# KiCad board FC_V5.kicad_pcb (continued)
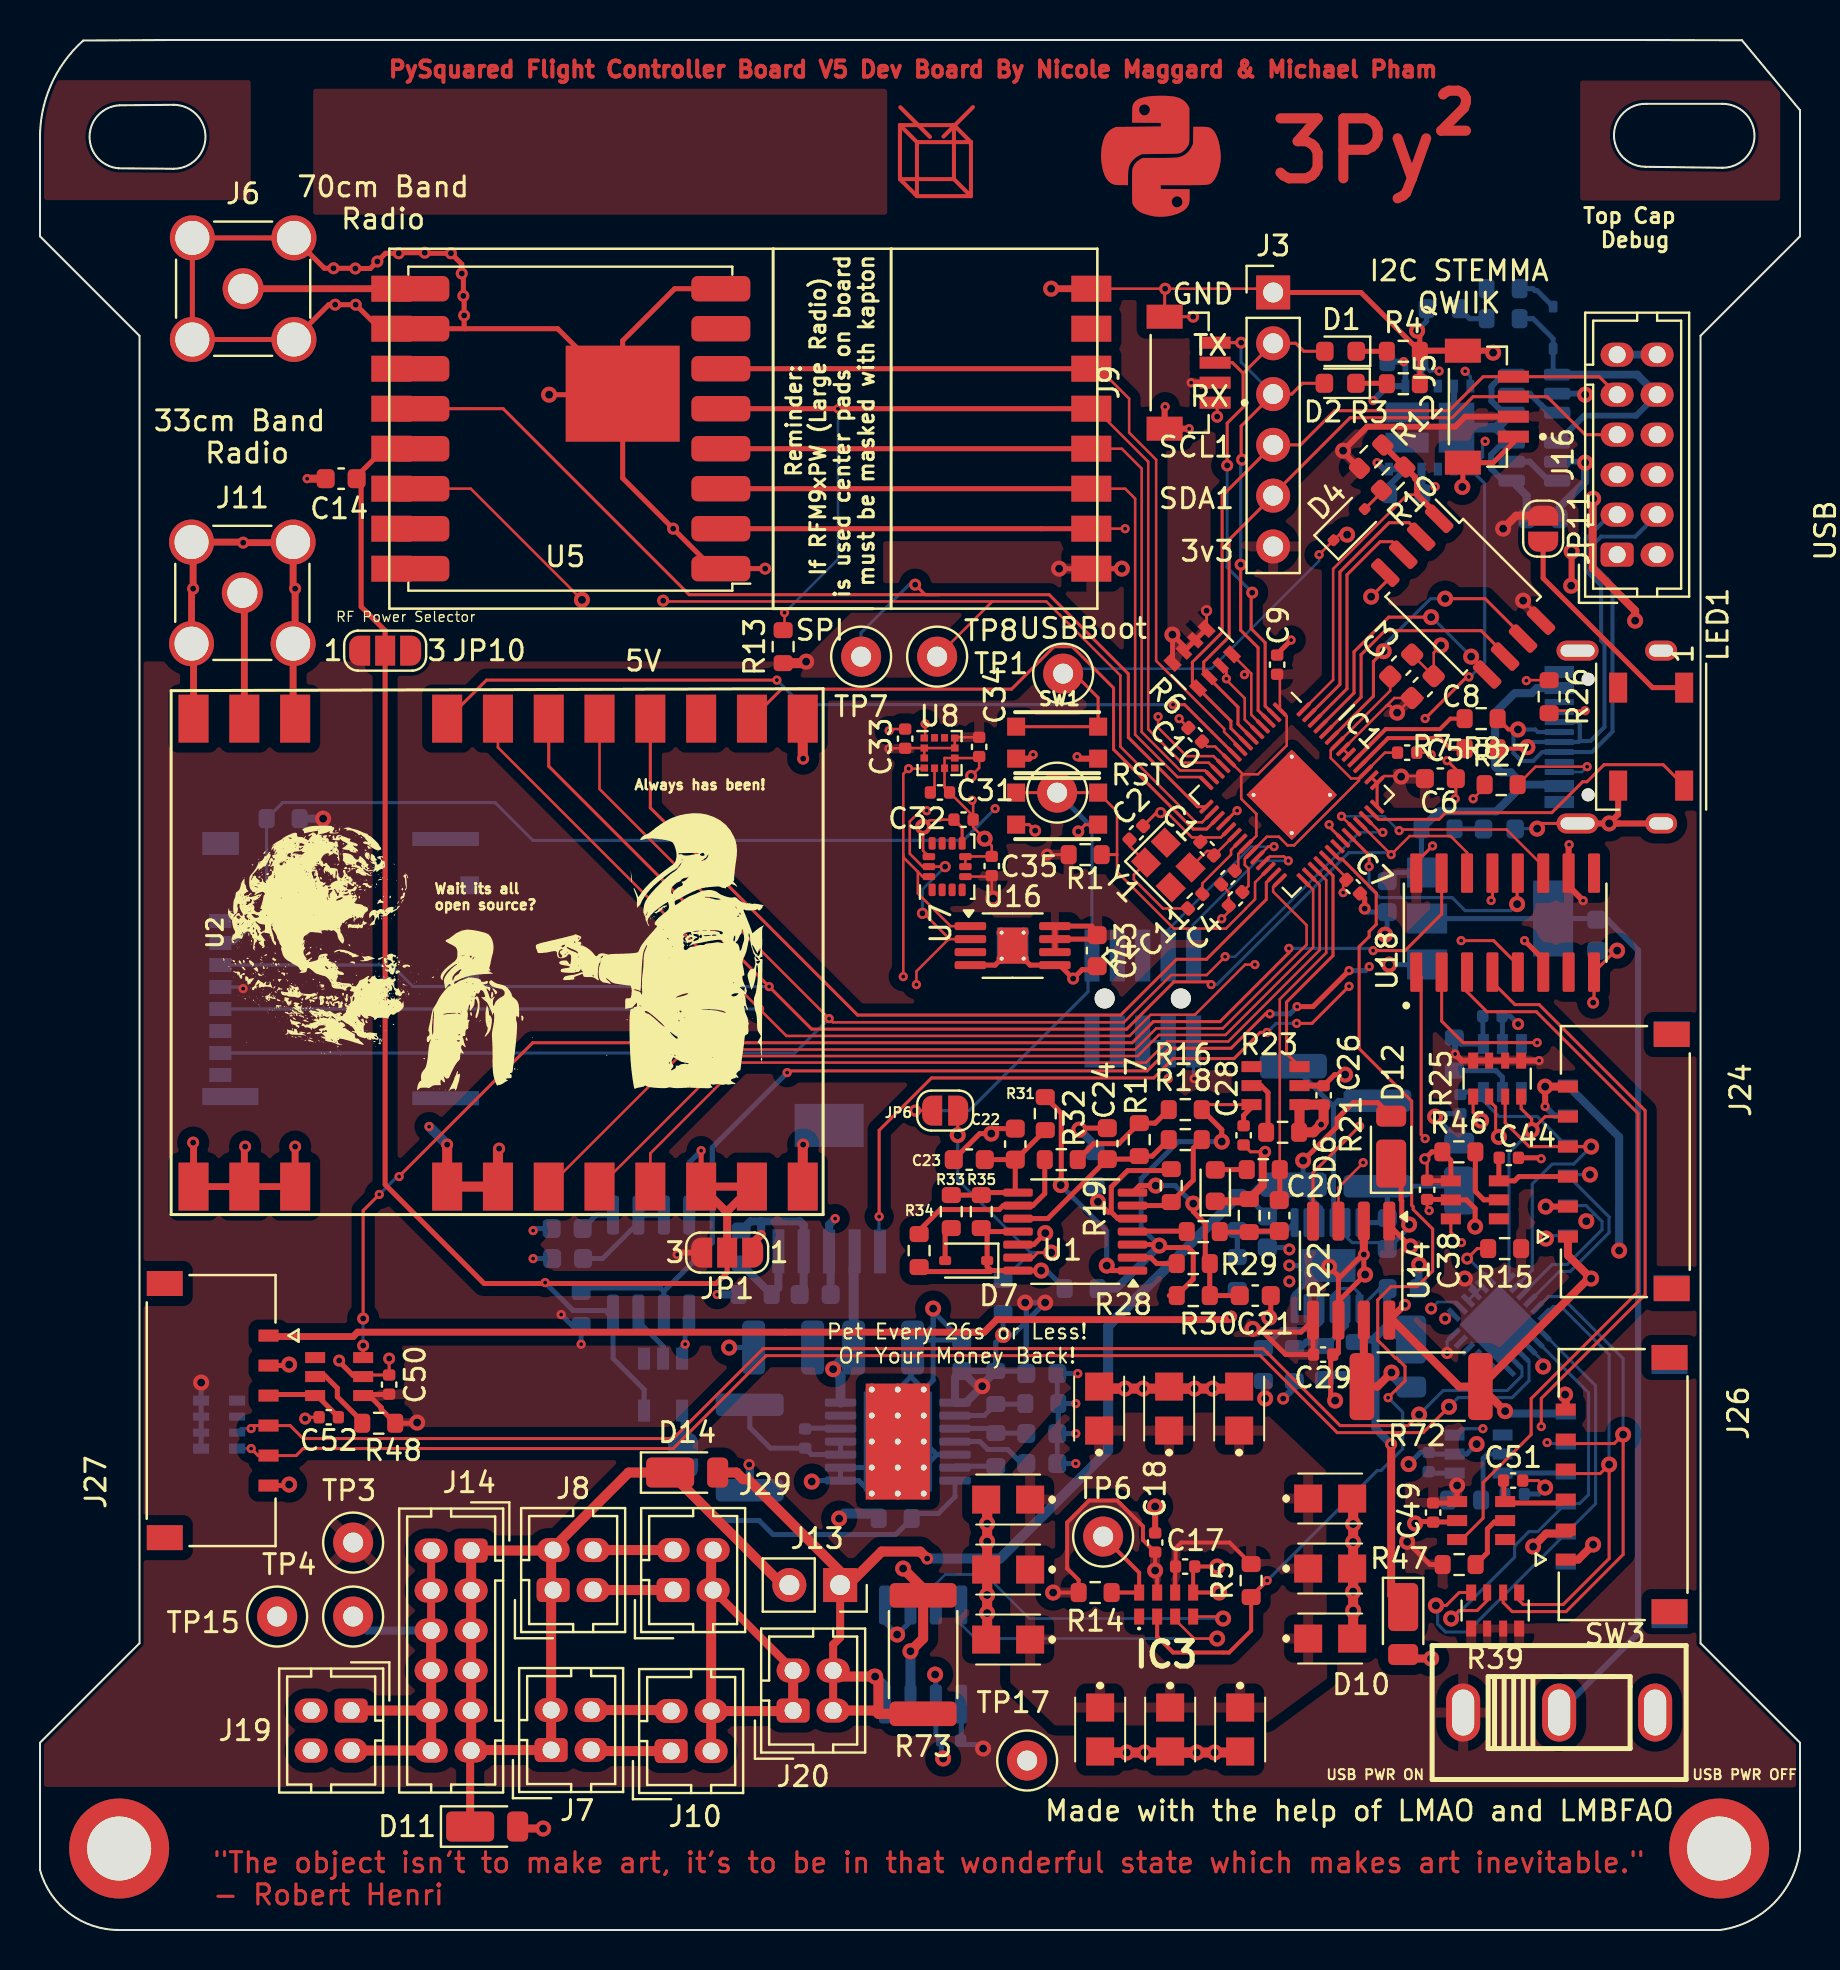
[diagram p0: board, top side]
## Library data of the parts (continued)
R1 R2 R5 R7-R9 R11 R12 R14 R42 R43 = -: Description: 100K 0603
R3 R4 R10 = -: Description: 100K 0603; LCSC: C21190
R6 R25 R39 R45 = -: ki_fp_filters: DIP* SOIC* R*Array*Concave* R*Array*Convex*
R13 = -: Description: 10k 0603
R15 R70 = -: Description: 100K 0603; ki_fp_filters: R_*
R16-R18 R22 R28 R41 R56 R59 R62 R124 = -: Description: 10 kOhms ±1% 0.1W, 1/10W Chip Resistor 0603 (1608 Metric) Automotive AEC-Q200 Thick Film; DPN: RMCF0603FT10K0CT-ND; DST: Digi-Key; MFR: Stackpole Electronics Inc; MPN: RMCF0603FT10K0; ki_fp_filters: R_*
R19-R21 = -: Description: 3 kOhms ±1% 0.1W, 1/10W Chip Resistor 0603 (1608 Metric) Automotive AEC-Q200 Thick Film; DPN: RMCF0603FT3K00CT-ND; DST: Digi-Key; MFR: Stackpole Electronics Inc; MPN: RMCF0603FT3K00; ki_fp_filters: R_*
R23 R46-R49 R51 R61 = -: Description: 47 kOhms ±1% 0.1W, 1/10W Chip Resistor 0603 (1608 Metric) Automotive AEC-Q200 Thick Film; DPN: RMCF0603FT47K0CT-ND; DST: Digi-Key; MFR: Stackpole Electronics Inc; MPN: RMCF0603FT47K0; ki_fp_filters: R_*
R26 R27 = -: Description: 5.1k 0603
R29 R31 R60 = -: Description: 1 kOhms ±1% 0.1W, 1/10W Chip Resistor 0603 (1608 Metric) Automotive AEC-Q200 Thick Film; DPN: RMCF0603FT1K00CT-ND; DST: Digi-Key; MFR: Stackpole Electronics Inc; MPN: RMCF0603FT1K00; ki_fp_filters: R_*
R30 R32-R34 R36 R37 = -: Description: 100 kOhms ±5% 0.1W, 1/10W Chip Resistor 0603 (1608 Metric) Automotive AEC-Q200 Thick Film; DPN: RMCF0603FT100KCT-ND; DST: Digi-Key; MFR: Stackpole Electronics Inc; MPN: RMCF0603FT100K; ki_fp_filters: R_*
R35 = -: Description: 4.7 MOhms ±1% 0.1W, 1/10W Chip Resistor 0603 (1608 Metric) Automotive AEC-Q200 Thick Film; DPN: RMCF0603FT4M70CT-ND; DST: Digi-Key; MFR: Stackpole Electronics Inc; MPN: RMCF0603FT4M70; ki_fp_filters: R_*
R38 = -: Description: 73.2K 0603
R40 = -: Description: 22.1K 0603
R63 = -: Description: 10K 0603; ki_fp_filters: R_*
R64 = -: Description: 3.3K 0603; ki_fp_filters: R_*
R65 = -: Description: 200K 0603; ki_fp_filters: R_*
R66 R69 R71 R74 R75 = -: Description: 787K 0603
R72 R73 = -: Description: 0.1 1% 2W 2512
SW3 = -: Datasheet: https://wmsc.lcsc.com/wmsc/upload/file/pdf/v2/lcsc/2108201830_SHOU-HAN-SS12D10G4-071_C2887259.pdf; Description: Momentary Switch, single pole double throw
TP1-TP4 TP6-TP8 TP15 TP17 = -: ki_fp_filters: Pin* Test*
U1 = -: Datasheet: https://www.ti.com/lit/ds/symlink/tlv1704-sep.pdf; Description: Analog Comparators 2.2-V to 36-V, radiation tolerant microPower quad comparator in space enhanced plastic 14-TSSOP -55 to 125; MFR: Texas Instruments; MPN: TLV1704AQPWRQ1; DST: Digi-Key; DPN: 296-43799-2-ND; ki_fp_filters: SOIC*3.9x8.7mm*P1.27mm* TSSOP*4.4x5mm*P0.65mm*
U4 = -: Description: 433 MHz 1W Radio; Manufacturer_Name: HopeRF; Field8: RADIO 2
U5 = -: DNI: DNI
U7 = -: ki_fp_filters: LGA-14L_2P5X3X0P86_STM LGA-14L_2P5X3X0P86_STM-M LGA-14L_2P5X3X0P86_STM-L
U8 = -: ki_fp_filters: SON_03AGRTR_STM SON_03AGRTR_STM-M SON_03AGRTR_STM-L
U10 = -: Datasheet: https://www.ti.com/lit/gpn/tps54226; Description: 3.3V Switching Regulator; Flight: TPS54226PWPR; Manufacturer_Name: Texas Instruments; Manufacturer_Part_Number: TPS54226PWPR; Proto: TPS54226PWPR
U12 = -: MF: Texas Instruments; Description_1: Automotive 8-channel 1.65- to 5.25v I2C/SMBus switch with reset & voltage translation; COPYRIGHT: Copyright (C) 2024 Ultra Librarian. All rights reserved.; Package: VQFN-24 Texas Instruments; Price: None; Check_prices: https://www.snapeda.com/parts/TCA9548ARGERQ1/Texas+Instruments/view-part/?ref=eda; Availability: In Stock; SnapEDA_Link: https://www.snapeda.com/parts/TCA9548ARGERQ1/Texas+Instruments/view-part/?ref=snap; MFR_NAME: Texas Instruments
U13 = -: Datasheet: https://www.ti.com/lit/gpn/tps7a45; Description: Adjustable LDO; Manufacturer_Name: Texas Instruments
U14 U15 = -: Datasheet: http://www.ti.com/lit/ds/symlink/ina219.pdf; ki_fp_filters: SOIC*3.9x4.9mm*P1.27mm*
U16 = -: Datasheet: http://ww1.microchip.com/downloads/en/DeviceDoc/MCP9808-0.5C-Maximum-Accuracy-Digital-Temperature-Sensor-Data-Sheet-DS20005095B.pdf; ki_fp_filters: DFN*1EP*3x2mm*P0.5mm*
U17 = -: Datasheet: https://www.ti.com/lit/ds/symlink/lmc555.pdf; Description: CMOS Timer, 555 compatible, SOIC-8; ki_fp_filters: SOIC*3.9x4.9mm*P1.27mm*
U18 = -: Datasheet: https://www.ti.com/lit/ds/symlink/sn74hc595.pdf?ts=1740294260187&ref_url=https%253A%252F%252Fwww.ti.com%252Fproduct%252FSN74HC595; MF: Texas Instruments; Description_1: 8-bit shift registers with 3-state output registers; Package: SOIC-16 Texas Instruments; Price: None; SnapEDA_Link: https://www.snapeda.com/parts/SN74HC595DR/Texas+Instruments/view-part/?ref=snap; Availability: In Stock; Check_prices: https://www.snapeda.com/parts/SN74HC595DR/Texas+Instruments/view-part/?ref=eda
U20 = -: Datasheet: https://www.ti.com/lit/ds/symlink/sn74lvc1g04.pdf; Description: Single NOT Gate, Low-Voltage CMOS; ki_fp_filters: SOT?23* Texas?R-PDSO-G5?DCK* Texas?R-PDSO-N5?DRL* Texas?X2SON*0.8x0.8mm*P0.48mm*

## Footprints (pads in the part's own frame, mm; a bottom-side part is the same pattern mirrored in y, then rotated)
503398-1892-1
  rect 0.7x1.1 smd: 1(4.17,-1.4) 2(5.27,-1.4) 3(6.37,-1.4) 4(7.47,-1.4) 5(8.57,-1.4) 6(9.67,-1.4) 7(10.77,-1.4) 8(11.87,-1.4)
  rect 0.9x0.93 smd: 9(2.38,-13.865)
  rect 1.05x0.78 smd: 10(6.645,-13.94)
  rect 0.7x3.33 smd: 11(13.03,-12.665) 14(0.07,-12.665)
  rect 0.86x2.8 smd: 12(12.95,-1.9)
  rect 1.14x1.83 smd: 13(0.29,-1.415)
BTN_KMR2_4.6X2.8
  rect 0.9x0.9 smd: A(2.05,0.8) A'(-2.05,0.8) B(2.05,-0.8) B'(-2.05,-0.8)
C_0402_1005Metric
  rrect 0.56x0.62 smd: 1(-0.48,0) 2(0.48,0)
C_0603_1608Metric
  rrect 0.9x0.95 smd: 1(-0.775,0) 2(0.775,0)
C_1210_3225Metric
  rrect 1.15x2.7 smd: 1(-1.475,0) 2(1.475,0)
CPH3225A
  rect 1.4x1.4 smd: 1(-0.8,0.3) 2(1.4,0.3)
Crystal_SMD_2520-4Pin_2.5x2.0mm
  rect 1.15x1 smd: 1(-0.875,-0.7) 2(0.875,-0.7) 3(0.875,0.7) 4(-0.875,0.7)
D_PowerDI-123
  rrect 2.4x1.5 smd: 1(-0.85,0)
  rrect 1.05x1.5 smd: 2(1.525,0)
D_SOD-323
  rrect 0.6x0.45 smd: 1(-1.05,0) 2(1.05,0)
D_SOD-323F
  rrect 0.5x0.5 smd: 1(-1.1,0) 2(1.1,0)
E22-400M30S
  rect 2.4x1.5 smd: 1(23.7,5.46) 2(23.7,8) 3(23.7,10.54) 4(23.7,18.14) 5(23.7,20.68) 6(23.7,23.22) 7(23.7,25.76) 8(23.7,28.3) 9(23.7,30.84) 10(23.7,33.38) 11(23.7,35.92) 12(0.3,35.92) 13(0.3,33.38) 14(0.3,30.84) 15(0.3,28.3) 16(0.3,25.76) 17(0.3,23.22) 18(0.3,20.68) 19(0.3,18.14) 20(0.3,10.54) 21(0.3,8) 22(0.3,5.46)
FDMQ86530L
  rect 0.4x0.65 smd: 1(-2.024,-2.075) 2(-1.212,-2.075) 3(-0.399,-2.075) 4(0.414,-2.075) 5(1.227,-2.075) 6(2.04,-2.075) 7(2.039,2.075) 8(1.227,2.075) 9(0.414,2.075) 10(-0.399,2.075) 11(-1.212,2.075) 12(-2.025,2.075)
  rect 1.78x2.5 smd: 13(-1.334,0)
  rect 2.17x1 smd: 14(1.14,-0.75) 15(1.141,0.753)
Hirose_DF11-4DP-2DSA_2x02_P2.00mm_Vertical
  rrect 1.2x1.65 hole 0.85: 1(0,0)
  oval 1.2x1.65 hole 0.85: 2(0,-2) 3(2,0) 4(2,-2)
Hirose_DF11-12DP-2DSA_2x06_P2.00mm_Vertical
  rrect 1.2x1.65 hole 0.85: 1(0,0)
  oval 1.2x1.65 hole 0.85: 2(0,-2) 3(2,0) 4(2,-2) 5(4,0) 6(4,-2) 7(6,0) 8(6,-2) 9(8,0) 10(8,-2) 11(10,0) 12(10,-2)
HOPERF_RFM9XW_SMD
  rrect 2.95x1.27 smd: 1(-7.525,7) 2(-7.525,5) 3(-7.525,3) 4(-7.525,1) 5(-7.525,-1) 6(-7.525,-3) 7(-7.525,-5) 8(-7.525,-7) 9(7.525,-7) 10(7.525,-5) 11(7.525,-3) 12(7.525,-1) 13(7.525,1) 14(7.525,3) 15(7.525,5) 16(7.525,7)
HTSSOP-14-1EP_4.4x5mm_P0.65mm_EP3.4x5mm_Mask3x3.1mm_ThermalVias
  rrect 1.21x1.25 smd: (-0.75,-0.775) (-0.75,0.775) (0.75,-0.775) (0.75,0.775)
  rect 3x3.1 smd: (0,0)
  rrect 1.575x0.4 smd: 1(-2.862,1.95) 2(-2.862,1.3) 3(-2.862,0.65) 4(-2.862,0) 5(-2.862,-0.65) 6(-2.862,-1.3) 7(-2.862,-1.95) 8(2.862,-1.95) 9(2.862,-1.3) 10(2.862,-0.65) 11(2.862,0) 12(2.862,0.65) 13(2.862,1.3) 14(2.862,1.95)
  round 0.6 hole 0.3: 15(-1.3,-2.6) 15(-1.3,-1.3) 15(-1.3,0) 15(-1.3,1.3) 15(-1.3,2.6) 15(0,-2.6) 15(0,-1.3) 15(0,0) 15(0,1.3) 15(0,2.6) 15(1.3,-2.6) 15(1.3,-1.3) 15(1.3,0) 15(1.3,1.3) 15(1.3,2.6)
  rect 3.2x5.8 smd far side: 15(0,0)
  rect 3.4x5 smd: 15(0,0)
JST_BM04B-SRSS-TB(LF)(SN)
  rect 0.6x1.55 smd: 1(-1.5,-2.525) 2(-0.5,-2.525) 3(0.5,-2.525) 4(1.5,-2.525)
  rect 1.2x1.8 smd: S1(-2.8,0) S2(2.8,0)
JTAG_2X05_1.27MM_BOX_NOCREAM
  round 1 hole 1 unplated: (-1.905,0) (1.905,0)
  rect 0.76x2.6 smd: 1(-2.54,-2.15) 2(-2.54,2.15) 3(-1.27,-2.15) 4(-1.27,2.15) 5(0,-2.15) 6(0,2.15) 7(1.27,-2.15) 8(1.27,2.15) 9(2.54,-2.15) 10(2.54,2.15)
L_1812_4532Metric
  rrect 1.125x3.4 smd: 1(-2.138,0) 2(2.138,0)
LED_0603_1608Metric
  rrect 0.875x0.95 smd: 1(-0.787,0) 2(0.787,0)
LED_WS2812B_PLCC4_5.0x5.0mm_P3.2mm
  rect 1.5x0.9 smd: 1(-2.45,1.65) 2(-2.45,-1.65) 3(2.45,-1.65) 4(2.45,1.65)
LGA-12_2x2mm_P0.5mm
  rect 0.375x0.35 smd: 1(-0.762,0.75) 2(-0.762,0.25) 3(-0.762,-0.25) 4(-0.762,-0.75) 7(0.762,-0.75) 8(0.762,-0.25) 9(0.762,0.25) 10(0.762,0.75)
  rect 0.35x0.375 smd: 5(-0.25,-0.762) 6(0.25,-0.762) 11(0.25,0.762) 12(-0.25,0.762)
LGA-14_3x2.5mm_P0.5mm_LayoutBorder3x4y
  rrect 0.625x0.35 smd: 1(-1.163,0.75) 2(-1.163,0.25) 3(-1.163,-0.25) 4(-1.163,-0.75) 8(1.163,-0.75) 9(1.163,-0.25) 10(1.163,0.25) 11(1.163,0.75)
  rrect 0.35x0.625 smd: 5(-0.5,-0.912) 6(0,-0.912) 7(0.5,-0.912) 12(0.5,0.912) 13(0,0.912) 14(-0.5,0.912)
MOLEX_5040500691
  rect 0.6x1 smd: 1(3.75,-2.87) 2(2.25,-2.87) 3(0.75,-2.87) 4(-0.75,-2.87) 5(-2.25,-2.87) 6(-3.75,-2.87)
  rect 1.25x1.8 smd: S1(6.355,2.32) S2(-6.355,2.32)
MSOP-8-1EP_3x3mm_P0.65mm_EP1.5x1.8mm_ThermalVias
  rrect 0.63x0.75 smd: (-0.375,0.45) (-0.375,-0.45) (0.375,0.45) (0.375,-0.45)
  rrect 1.575x0.4 smd: 1(-2.112,0.975) 2(-2.112,0.325) 3(-2.112,-0.325) 4(-2.112,-0.975) 5(2.112,-0.975) 6(2.112,-0.325) 7(2.112,0.325) 8(2.112,0.975)
  round 0.5 hole 0.2: 9(-0.55,0.65) 9(-0.55,-0.65) 9(0.55,0.65) 9(0.55,-0.65)
  rect 1.5x1.8 smd: 9(0,0)
  rect 1.6x1.8 smd far side: 9(0,0)
MSOP-12-1EP_3x4mm_P0.65mm_EP1.65x2.85mm
  rrect 0.67x1.15 smd: (-0.41,-0.71) (-0.41,0.71) (0.41,-0.71) (0.41,0.71)
  rrect 1.45x0.4 smd: 1(-2.15,1.625) 2(-2.15,0.975) 3(-2.15,0.325) 4(-2.15,-0.325) 5(-2.15,-0.975) 6(-2.15,-1.625) 7(2.15,-1.625) 8(2.15,-0.975) 9(2.15,-0.325) 10(2.15,0.325) 11(2.15,0.975) 12(2.15,1.625)
  rect 1.65x2.85 smd: 13(0,0)
PinHeader_1x06_P2.54mm_Vertical
  rect 1.7x1.7 hole 1: 1(0,0)
  oval 1.7x1.7 hole 1: 2(0,-2.54) 3(0,-5.08) 4(0,-7.62) 5(0,-10.16) 6(0,-12.7)
PinSocket_1x02_P2.54mm_Vertical
  rect 1.7x1.7 hole 1: 1(0,0)
  oval 1.7x1.7 hole 1: 2(0,-2.54)
QFN-56-1EP_7x7mm_P0.4mm_EP3.2x3.2mm_ThermalVias
  custom 1.239x1.239 smd: (-0.675,0.675) (-0.675,-0.675) (0.675,0.675) (0.675,-0.675)
  rrect 0.875x0.2 smd: 1(-3.438,2.6) 2(-3.438,2.2) 3(-3.438,1.8) 4(-3.438,1.4) 5(-3.438,1) 6(-3.438,0.6) 7(-3.438,0.2) 8(-3.438,-0.2) 9(-3.438,-0.6) 10(-3.438,-1) 11(-3.438,-1.4) 12(-3.438,-1.8) 13(-3.438,-2.2) 14(-3.438,-2.6) 29(3.438,-2.6) 30(3.438,-2.2) 31(3.438,-1.8) 32(3.438,-1.4) 33(3.438,-1) 34(3.438,-0.6) 35(3.438,-0.2) 36(3.438,0.2) 37(3.438,0.6) 38(3.438,1) 39(3.438,1.4) 40(3.438,1.8) 41(3.438,2.2) 42(3.438,2.6)
  rrect 0.2x0.875 smd: 15(-2.6,-3.438) 16(-2.2,-3.438) 17(-1.8,-3.438) 18(-1.4,-3.438) 19(-1,-3.438) 20(-0.6,-3.438) 21(-0.2,-3.438) 22(0.2,-3.438) 23(0.6,-3.438) 24(1,-3.438) 25(1.4,-3.438) 26(1.8,-3.438) 27(2.2,-3.438) 28(2.6,-3.438) 43(2.6,3.438) 44(2.2,3.438) 45(1.8,3.438) 46(1.4,3.438) 47(1,3.438) 48(0.6,3.438) 49(0.2,3.438) 50(-0.2,3.438) 51(-0.6,3.438) 52(-1,3.438) 53(-1.4,3.438) 54(-1.8,3.438) 55(-2.2,3.438) 56(-2.6,3.438)
  round 0.5 hole 0.2: 57(-1.35,1.35) 57(-1.35,-1.35) 57(1.35,1.35) 57(1.35,-1.35)
  rect 3.2x3.2 smd: 57(0,0)
  rect 3.2x3.2 smd far side: 57(0,0)
QFN_GERQ1_TEX
  rect 0.783x0.255 smd: 1(-1.953,1.25) 2(-1.953,0.75) 3(-1.953,0.25) 4(-1.953,-0.25) 5(-1.953,-0.75) 6(-1.953,-1.25) 13(1.953,-1.25) 14(1.953,-0.75) 15(1.953,-0.25) 16(1.953,0.25) 17(1.953,0.75) 18(1.953,1.25)
  rect 0.255x0.783 smd: 7(-1.25,-1.953) 8(-0.75,-1.953) 9(-0.25,-1.953) 10(0.25,-1.953) 11(0.75,-1.953) 12(1.25,-1.953) 19(1.25,1.953) 20(0.75,1.953) 21(0.25,1.953) 22(-0.25,1.953) 23(-0.75,1.953) 24(-1.25,1.953)
  rect 2.794x2.794 smd: 25(0,0)
R_0402_1005Metric
  rrect 0.54x0.64 smd: 1(-0.51,0) 2(0.51,0)
R_0603_1608Metric
  rrect 0.8x0.95 smd: 1(-0.825,0) 2(0.825,0)
R_2512_6332Metric
  rrect 1.225x3.35 smd: 1(-2.962,0) 2(2.962,0)
R_Array_Convex_4x0603
  rect 0.8x0.5 smd: 1(-0.9,1.2) 4(-0.9,-1.2) 5(0.9,-1.2) 8(0.9,1.2)
  rect 0.8x0.4 smd: 2(-0.9,0.4) 3(-0.9,-0.4) 6(0.9,-0.4) 7(0.9,0.4)
RFM98PW
  rect 2x1.3 smd: 1(17.6,-7.5) 2(17.6,-5.5) 3(17.6,-3.5) 4(17.6,-1.5) 5(17.6,0.5) 6(17.6,2.5) 7(17.6,4.5) 8(17.6,6.5) 9(-17.4,6.5) 10(-17.4,4.5) 11(-17.4,2.5) 12(-17.4,0.5) 13(-17.4,-1.5) 14(-17.4,-3.5) 15(-17.4,-5.5) 16(-17.4,-7.5)
  rect 5.7x4.8 smd: 17(6.032,-2.25)
RV3028C7
  rect 0.5x0.8 smd: 1(-1.35,-0.6) 2(-0.45,-0.6) 3(0.45,-0.6) 4(1.35,-0.6) 5(1.35,0.6) 6(0.45,0.6) 7(-0.45,0.6) 8(-1.35,0.6)
SMA_Amphenol_901-144_Vertical
  round 2.05 hole 1.5: 1(0,0)
  round 2.25 hole 1.7: 2(-2.54,2.54) 2(-2.54,-2.54) 2(2.54,2.54) 2(2.54,-2.54)
SOIC127P600X175-16N
  rrect 1.97x0.6 smd: 1(-2.475,4.445) 2(-2.475,3.175) 3(-2.475,1.905) 4(-2.475,0.635) 5(-2.475,-0.635) 6(-2.475,-1.905) 7(-2.475,-3.175) 8(-2.475,-4.445) 9(2.475,-4.445) 10(2.475,-3.175) 11(2.475,-1.905) 12(2.475,-0.635) 13(2.475,0.635) 14(2.475,1.905) 15(2.475,3.175) 16(2.475,4.445)
SOIC-8_3.9x4.9mm_P1.27mm
  rrect 1.95x0.6 smd: 1(-2.475,1.905) 2(-2.475,0.635) 3(-2.475,-0.635) 4(-2.475,-1.905) 5(2.475,-1.905) 6(2.475,-0.635) 7(2.475,0.635) 8(2.475,1.905)
SOIC-8_5.275x5.275mm_P1.27mm
  rrect 1.6x0.6 smd: 1(-3.6,1.905) 2(-3.6,0.635) 3(-3.6,-0.635) 4(-3.6,-1.905) 5(3.6,-1.905) 6(3.6,-0.635) 7(3.6,0.635) 8(3.6,1.905)
SolderJumper-2_P1.3mm_Open_RoundedPad1.0x1.5mm
  custom 1x1.5 smd: 1(-0.65,0) 2(0.65,0)
SolderJumper-2_P1.3mm_Open_RoundedPad1.0x1.5mm#2
  custom 1x1.5 smd: 1(-0.65,0) 2(0.65,0)
SolderJumper-3_P1.3mm_Open_RoundedPad1.0x1.5mm_NumberLabels
  custom 1.05x1.5 smd: 1(-1.3,0) 3(1.3,0)
  rect 1x1.5 smd: 2(0,0)
SOT26
  rect 0.55x1 smd: 1(-0.95,-1.2) 2(0,-1.2) 3(0.95,-1.2) 4(0.95,1.2) 5(0,1.2) 6(-0.95,1.2)
SOT-23-5_L3.0-W1.7-P0.95-LS2.8-BR
  rect 1.1x0.6 smd: 1(1.3,-0.95) 2(1.3,0) 3(1.3,0.95) 4(-1.3,0.95) 5(-1.3,-0.95)
SOT-23-6
  rrect 1.325x0.6 smd: 1(-1.137,0.95) 2(-1.137,0) 3(-1.137,-0.95) 4(1.137,-0.95) 5(1.137,0) 6(1.137,0.95)
SOT-223
  rect 2x1.5 smd: 1(-3.15,2.3) 2(-3.15,0) 3(-3.15,-2.3)
  rect 2x3.8 smd: 4(3.15,0)
SOT-223-6
  rect 2.2x0.6 smd: 1(-3.138,2.54) 2(-3.138,1.27) 3(-3.138,0) 4(-3.138,-1.27) 5(-3.138,-2.54)
  rect 2.15x3.45 smd: 6(3.163,0)
SW-TH_SHOU-HAN_SS12D10G4
  oval 1.7x2.9 hole 1.1x2.3: 1(-4.8,0) 2(0,0) 3(4.8,0)
TestPoint_Loop_D1.80mm_Drill1.0mm_Beaded
  round 2 hole 1: 1(0,0)
TSSOP-14_4.4x5mm_P0.65mm
  rrect 1.475x0.4 smd: 1(-2.862,1.95) 2(-2.862,1.3) 3(-2.862,0.65) 4(-2.862,0) 5(-2.862,-0.65) 6(-2.862,-1.3) 7(-2.862,-1.95) 8(2.862,-1.95) 9(2.862,-1.3) 10(2.862,-0.65) 11(2.862,0) 12(2.862,0.65) 13(2.862,1.3) 14(2.862,1.95)
unnamed
  round 5 hole 3.2: 1(0,0)
USB_C_Receptacle_HRO_TYPE-C-31-M-12
  round 0.65 hole 0.65 unplated: (-2.89,2.6) (2.89,2.6)
  rect 0.6x1.45 smd: A1(-3.25,4.045) A4(-2.45,4.045) A9(2.45,4.045) A12(3.25,4.045) B1(3.25,4.045) B4(2.45,4.045) B9(-2.45,4.045) B12(-3.25,4.045)
  rect 0.3x1.45 smd: A5(-1.25,4.045) A6(-0.25,4.045) A7(0.25,4.045) A8(1.25,4.045) B5(1.75,4.045) B6(0.75,4.045) B7(-0.75,4.045) B8(-1.75,4.045)
  oval 1x1.6 hole 0.6x1.2: S1(-4.32,-1.05) S1(4.32,-1.05)
  oval 1x2.1 hole 0.6x1.7: S1(-4.32,3.13) S1(4.32,3.13)

## Nets
1.2V: C3.1 C4.2 C5.2 IC1.23 IC1.45 IC1.50
3.3V: C6.1 C7.1 C8.1 C9.1 C10.1 C11.1 C15.2 C16.2 C18.1 C26.1 C29.2 C30.2 C32.1 C33.1 C34.1 C35.1 C38.1 C43.1 C47.1 C49.1 C50.1 C53.1 IC1.1 IC1.10 IC1.22 IC1.33 IC1.42 IC1.43 IC1.44 IC1.48 IC1.49 IC3.7 J1.1 J3.6 J4.4 J5.2 J9.2 JP1.3 JP10.1 JP11.1 L1.2 R1.1 R6.5 R6.6 R6.7 R6.8 R11.2 R12.1 R13.1 R14.2 R15.1 R23.1 R25.5 R25.6 R25.7 R25.8 R37.2 R38.2 R39.5 R39.6 R39.7 R39.8 R42.2 R45.5 R45.6 R45.7 R45.8 R46.1 R47.1 R48.1 R49.1 R51.1 R70.1 SW3.1 TP3.1 U3.1 U4.9 U6.8 U7.5 U7.8 U7.12 U8.2 U8.3 U8.9 U8.10 U10.1 U12.18 U12.21 U12.22 U12.23 U14.1 U14.5 U15.5 U16.6 U16.7 U16.8 U18.10 U18.16 U19.1 U21.1 U22.1 U23.1 U24.1
/3v3 Spec: C13.1 IC2.2 IC2.4 SW3.2
GND: C1.1 C2.1 C3.2 C4.1 C5.1 C6.2 C7.2 C8.2 C9.2 C10.2 C11.2 C12.2 C13.2 C14.1 C15.1 C16.1 C17.2 C18.2 C19.2 C21.1 C22.1 C23.1 C24.1 C25.2 C26.2 C28.2 C29.1 C30.1 C31.2 C32.2 C33.2 C34.2 C35.2 C36.2 C37.2 C38.2 C39.1 C40.2 C42.2 C43.2 C44.2 C45.2 C46.2 C47.2 C48.2 C49.2 C50.2 C51.2 C52.2 C53.2 C55.2 C1017.2 C1018.2 C1019.2 C1020.2 C1021.2 C1022.2 C1023.2 C1024.2 C1025.2 C1026.2 C1027.2 C1028.2 D3.1 D6.1 D13.2 IC1.19 IC1.57 IC2.1 IC3.5 IC6.6 IC6.13 J1.3 J1.5 J1.9 J3.1 J4.6 J5.1 J5.S1 J5.S2 J6.2 J9.1 J9.S1 J9.S2 J11.2 J12.A1 J12.A12 J12.B1 J12.B12 J12.S1 J16.11 J16.12 J19.2 J19.4 J24.2 J24.6 J25.2 J25.6 J26.2 J26.6 J27.2 J27.6 J28.2 J28.6 LED1.3 Q4.5 Q4.6 Q4.7 Q4.8 R3.2 R4.2 R20.2 R22.2 R26.1 R27.1 R40.1 R41.2 R56.2 R62.2 R64.2 R69.1 R74.1 SW1.B SW1.B' SW2.B SW2.B' TP15.1 U1.12 U2.1 U2.2 U2.3 U2.4 U2.5 U2.11 U2.12 U2.20 U2.22 U3.2 U4.2 U4.16 U4.17 U5.1 U5.8 U5.10 U6.4 U7.6 U7.7 U8.6 U8.8 U10.5 U10.8 U10.9 U10.15 U12.9 U12.25 U13.3 U13.6 U14.2 U14.6 U15.1 U15.2 U15.6 U16.4 U16.5 U16.9 U17.1 U18.8 U18.13 U19.2 U20.3 U21.2 U22.2 U23.2 U24.2
VBatt: D11.1 D14.1 J7.1 J7.3 J8.1 J8.3 J13.2 J14.1 J14.3 J14.5 J14.7 J14.9 J14.11
VBATT_SENSE: C42.1 D12.2 D14.2 IC6.9 J13.1 J20.2 J20.4 R71.2 R73.2 R75.1 U15.8
VBUS: C12.1 IC2.3 J12.A4 J12.A9 J12.B4 J12.B9 R9.1
VBUS_RESET: R42.1 U17.2 U18.6
VBUSP: C19.1 C25.1 Q7.5 Q8.5 R59.1 R73.1 R124.1 TP17.1 U10.13 U10.14 U13.2 U15.7
VCC_RF1: JP10.3
/ANT2: J11.1 U2.21
/D+: IC1.47 R8.1
/D-: IC1.46 R7.1
/Power Systems/V_RF: C39.2 JP1.1 R63.1 U13.4
/QSPI_CS: IC1.56 R10.1 R12.2 U6.1
/QSPI_DATA[0]: IC1.53 U6.5
/QSPI_DATA[1]: IC1.55 U6.2
/QSPI_DATA[2]: IC1.54 U6.3
/QSPI_DATA[3]: IC1.51 U6.7
/QSPI_SCK: IC1.52 U6.6
/Watchdog Circuit/WDT-VP: R19.2 R20.1 U1.5
B-: J14.2 J14.4 J14.6 J14.8 J14.10 J14.12 J19.1 J19.3 TP4.1
DEPLOY1: D8.1 J16.10 Q7.4 Q8.4 R61.1
Dir_Chrg_In: D10.2 D11.2 J16.5
ENAB_RF: U13.1 U18.5
F0_PWR: C44.1 J24.3 U19.6
F0_SCL: J24.4 R25.3 U12.2
F0_SDA: J24.5 R25.4 U12.1
F1_PWR: C48.1 J25.3 U21.6
F1_SCL: J25.4 R25.1 U12.4
F1_SDA: J25.5 R25.2 U12.3
F2_PWR: C51.1 J26.3 U22.6
F2_SCL: J26.4 R39.1 U12.6
F2_SDA: J26.5 R39.2 U12.5
F3_PWR: C55.1 J28.3 U24.6
F3_SCL: J28.4 R39.3 U12.8
F3_SDA: J28.5 R39.4 U12.7
F4_PWR: C52.1 J27.3 U23.6
F4_SCL: J27.4 R45.3 U12.11
F4_SDA: J27.5 R45.4 U12.10
F5_PWR: J16.8
FACE0_ENABLE: U18.1 U19.3
FACE1_ENABLE: U18.2 U21.3
FACE2_ENABLE: U18.3 U22.3
FACE3_ENABLE: U18.4 U24.3
FACE4_ENABLE: U18.15 U23.3
FC_RESET: IC1.26 J1.10 J16.2 JP6.2 R1.2 SW2.A SW2.A' TP2.1
FIRE_DEPLOY1_A: IC1.36 Q4.1 Q4.9 R56.1
FIRE_DEPLOY1_B: Q4.4 Q4.12 R41.1
NEOPIX: IC1.41 LED1.4
READ_DEPLOY1: R61.2 R62.1
RF1_ANT: J6.1 U4.1 U5.9
RF1_IO0: IC1.16 TP8.1 U4.6 U5.14
RF1_IO4: IC1.15 TP7.1 U4.4 U5.12
RF1_RST: IC1.8 U4.14 U5.6
RF2_IO0: IC1.30 U2.8
RF2_IO4: IC1.17 U2.13
RF2_RST: IC1.27 U2.15
RF2_RX_EN: IC1.28 U2.6
RF2_TX_EN: IC1.29 U2.7
RF_VCC: C14.2 JP1.2 JP10.2 U2.9 U2.10 U4.5 U5.13 U17.4 U17.8 U20.5
RTC_INT: IC1.34 IC3.2 R5.1
RX: D2.2 IC1.3 J3.3 J9.4
SCL0: IC1.7 J3.4 J5.4 J16.9 R6.1
SCL1: IC1.5 IC3.3 R6.3 U7.13 U8.1 U12.19 U14.4 U15.4 U16.2
SDA0: IC1.6 J3.5 J5.3 J16.7 R6.2
SDA1: IC1.4 IC3.4 R6.4 U7.14 U8.4 U12.20 U14.3 U15.3 U16.1
SPI0_CS0: IC1.12 R13.2 U4.13 U5.5
SPI0_CS1: IC1.35
SPI0_MISO: IC1.11 U4.10 U5.2
SPI0_MOSI: IC1.14 U4.11 U5.3
SPI0_SCK: IC1.13 U4.12 U5.4
SPI1_CS0: IC1.9 U2.19
SPI1_CS1: IC1.18 J4.2 R11.1
SPI1_MISO: IC1.40 J4.7 U2.16
SPI1_MOSI: IC1.39 J4.3 U2.17 U18.14
SPI1_SCK: IC1.38 J4.5 U2.18 U18.11
SR_LATCH: IC1.37 U18.12
SWCLK: IC1.24 J1.4
SWDIO: IC1.25 J1.2
TEST_ANTENNAS: R60.1
TX: D1.2 IC1.2 J3.2 J9.3
USB_D+: J12.A6 J12.B6 J16.4 R8.2
USB_D-: J12.A7 J12.B7 J16.3 R7.2
USBBOOT: D4.1 J16.1 SW1.A SW1.A' TP1.1
V_BACKUP: C17.1 C1017.1 C1018.1 C1019.1 C1020.1 C1021.1 C1022.1 C1023.1 C1024.1 C1025.1 C1026.1 C1027.1 C1028.1 IC3.6 R5.2
V_RBF: J10.2 J10.4 J20.1 J20.3 J29.2 J29.4
VSOLAR: J16.6 J24.1 J25.1 J26.1 J27.1 J28.1 R72.2 U14.8
VSOLAR_I: D9.2 R72.1 U14.7
WDT_BIAS: C28.1 R16.1 R30.1 R36.2 U1.3 U3.6
WDT_ENABLE: IC1.32 U3.3
WDT_WDI: C20.1 IC1.31 R21.1
~{CHARGE}: IC6.4 R70.2
~{MUX_RESET}: R15.2 U12.24
Net-(C2-Pad2): C2.2 R2.2 Y1.1
Net-(C20-Pad2): C20.2 R22.1 R28.1
Net-(D1-K): D1.1 R4.1
Net-(D2-K): D2.1 R3.1
Net-(D3-A): D3.2 R9.2
Net-(D4-A): D4.2 R10.2
Net-(D6-A): D6.2 R21.2
Net-(D7-Pad2): D7.2 R33.1
Net-(D8-Pad2): D8.2 R60.2
Net-(D10-K): C40.1 D9.1 D10.1 IC6.1 IC6.3 R65.1
Net-(D12-K): C41.2 D12.1 IC6.11
Net-(D13-K): C41.1 D13.1 IC6.12 L2.1
Net-(IC1-XIN): C1.2 IC1.20 Y1.3
Net-(IC1-XOUT): IC1.21 R2.1
Net-(IC3-EVI): IC3.8 R14.1 TP6.1
Net-(IC6-SENSE): IC6.10 L2.2 R75.2
Net-(IC6-VFB): IC6.7 R71.1 R74.2
Net-(IC6-VIN_REG): IC6.2 R66.2 R69.2
Net-(J10-Pin_1): J7.2 J10.1
Net-(J10-Pin_3): J7.4 J10.3
Net-(J12-CC1): J12.A5 R26.2
Net-(J12-CC2): J12.B5 R27.2
Net-(J29-Pin_1): J8.2 J29.1
Net-(J29-Pin_3): J8.4 J29.3
Net-(JP2-A): JP2.1 U20.4
Net-(JP2-B): JP2.2 R124.2 U10.7
Net-(JP6-A): JP6.1 R37.1 U1.13
Net-(JP11-B): JP11.2 LED1.1
Net-(Q7A-D): Q7.2 Q7.6
Net-(Q7A-G): Q4.2 Q4.11 Q4.13 Q7.1 Q7.3 Q8.1 Q8.3 R59.2
Net-(Q8A-D): Q8.2 Q8.6
Net-(R16-Pad2): R16.2 R17.1 R32.2
Net-(R29-Pad1): R29.1 U1.2
Net-(R31-Pad1): R31.1 U1.1
Net-(R65-Pad2): R65.2 R66.1
Net-(U1A--): R28.2 U1.4
Net-(U1B-+): C21.2 R29.2 R30.2 U1.7
Net-(U1B--): R18.2 R19.1 U1.6
Net-(U1C-+): R32.1 R34.1 U1.9
Net-(U1C--): C22.2 C23.2 R31.2 R33.2 R35.2 U1.8
Net-(U1D-+): D7.1 R34.2 R35.1 R36.1 U1.11 U1.14
Net-(U1D--): C24.2 R17.2 R18.1 U1.10
Net-(U3-ILIM): R23.2 U3.5
Net-(U8-C1): C31.1 U8.5
Net-(U10-PG): R43.1 U10.6
Net-(U10-SS): C36.1 U10.4
Net-(U10-SW1): C27.1 L1.1 U10.10 U10.11
Net-(U10-VBST): C27.2 U10.12
Net-(U10-VFB): R38.1 R40.2 U10.2
Net-(U10-VREG5): C37.1 R43.2 U10.3
Net-(U13-SENSE/ADJ): R63.2 R64.1 U13.5
Net-(U17-CV): C46.1 U17.5
Net-(U17-DIS): C45.1 U17.6 U17.7
Net-(U17-Q): U17.3 U20.2
Net-(U19-ILIM): R46.2 U19.5
Net-(U21-ILIM): R51.2 U21.5
Net-(U22-ILIM): R47.2 U22.5
Net-(U23-ILIM): R48.2 U23.5
Net-(U24-ILIM): R49.2 U24.5

Pads without a net: H1 1; H2 1; IC3 1; IC6 5 8; J1 6 7 8; J4 1 8 9 10 11 12 13 14; J12 A8 B8; J24 S1 S2; J25 S1 S2; J26 S1 S2; J27 S1 S2; J28 S1 S2; LED1 2; Q4 3 10 14 15; R45 1 2; SW3 3; U2 14; U3 4; U4 3 7 8 15; U5 7 11 15 16; U7 1 2 3 4 9 10 11; U8 7 11 12; U12 12 13 14 15 16 17; U16 3; U18 7 9; U19 4; U20 1; U21 4; U22 4; U23 4; U24 4; Y1 2 4

## Via types
v1: diameter 0.8, hole 0.4, Top to Bottom, 141 vias
v2: diameter 0.6, hole 0.3, Top to Bottom, 62 vias
v3: diameter 0.46, hole 0.2, Top to Bottom, 114 vias
v4: diameter 0.56, hole 0.3, Top to Bottom, 6 vias

## Routing (per net, layer and track width the routed paths; a pad name or vN(x,y) marks a point on that pad's centre or on a via; arc(x,y) is an arc through that point)
1.2V: length 19.7
  Top w0.127: C5.2 67.24,58.87 IC1.45 ; 65.95,57.58 65.56,57.58 64.54,58.61 64.54,59 IC1.50 67.51,61.97 C3.1 ; 65.95,57.58 IC1.45 ; 65.95,57.58 65.95,57.49 62.7,54.24 62.37,54.24 61.94,54.67 61.34,54.67 IC1.23 60.24,53.57 60.24,53.26 60.43,53.07 60.43,52.21 C4.2 ; 65.95,57.58 IC1.45
3.3V: length 174.6
  Top w0.127: 67.32,61.21 67.52,61.21 v1(67.86,60.87) C8.1 ; 67.32,61.21 IC1.49 IC1.48 ; 67.32,61.21 67.71,61.61 C8.1 ; 61.99,62.69 IC1.1 62.33,60.69 62.33,59.23 60.9,57.79 60.14,57.79 ; U7.5 47.54,52.67 C35.1 47.59,51.64 v1(47.66,51.57) ; v3(42.45,59.08) 42.47,59.09 C33.1 43.27,59.1 U8.2 ; IC1.10 59.45,58.5 ; IC1.10 58.76,59.18 58.35,59.18 C10.1 ; IC1.10 60.14,57.79 ; C8.1 69.13,61.61 ; C11.1 59.91,53.14 59.91,53.81 IC1.22 60.82,54.71 60.82,55.81 60.06,56.57 60.06,57.71 60.14,57.79 ; U8.3 U8.2 ; U8.2 U8.9 U8.10 45.78,59.64 C34.1 ; IC1.33 65.26,52.68 ; C7.1 65.16,52.35 v3(65.16,51.87) ; C6.1 69.11,57.7 67.2,57.7 IC1.43 ; 45.58,55.4 C32.1 45.05,55.52 45.02,55.49 44.49,55.49 v1(44.15,55.16) 44.15,53.96 U7.12
  Top w0.152: 68.81,52.85 68.81,53.4 v3(69.63,54.21) ; v4(69.24,38.56) 69.36,38.44 C38.1 ; IC1.44 IC1.43 IC1.42 ; v4(58.33,65.97) R6.5 ; v1(74.16,66.47) 75.35,65.28 75.35,65.28 ; U7.8 46.11,55.11 C32.1 ; R1.1 v2(50.36,53.77)
  Top w0.2: R14.2 v1(50.66,16.87) ; R14.2 51.86,16.95 ; R14.2 51.93,17.5 51.36,18.07 51.36,20.37 52.46,21.47 53.86,21.47 55.15,20.18 55.15,19.5 C18.1 v1(55.76,17.97) 55.86,17.87 IC3.7
  Top w0.25: 69.27,37.46 U19.1 70.54,38.49 R46.1 69.59,38.91 v4(69.24,38.56) ; 67.46,35.83 U14.1 67.46,35.24 v1(68.52,34.19) ; 69.59,21.38 69.62,21.35 70.79,21.35 70.86,21.42 v1(70.86,22.23) ; v1(68.36,19.41) 69.5,18.27 R47.1 ; v1(18.86,25.37) 18.82,25.34 R48.1 17.06,26.05 17.06,26.13 16.41,26.78 16.16,26.78 17.44,26.78 C50.1 ; v1(50.96,68.07) 50.96,68.07 U4.9 54.09,68.07 v1(54.09,68.07) ; U16.6 U16.7 ; U16.7 U16.8 52.58,50.2 52.86,49.92 52.48,49.55 U16.7 ; R12.1 65.97,73.16 ; R6.8 56.63,64.76 v1(56.62,64.77) 57.2,64.2 R6.7 R6.6 R6.5 ; 62.29,28.77 61,30.06 v1(60.64,30.06) 60.8,29.9 63.05,29.9 63.65,30.5 63.65,28.8 C29.2 62.29,28.77
  Top w0.3: v3(31.86,33.77) 31.96,33.87 JP1.3 ; v3(76.46,54.27) 76.43,54.25 76.43,52.2 v3(77.16,51.47) ; R12.1 65.16,73.91 v1(65.16,73.97) 66.36,75.17 70.76,75.17 71.26,75.67 J5.2 ; v3(74.96,43.47) R25.5 R25.6 R25.7 R25.8 71.09,43.47 v3(70.76,43.8) ; J9.2 v3(57.56,77.37)
  Top w0.4: v1(73.16,70.07) 73.81,70.72 JP11.1
  Top w0.5: v1(38.31,63.42) 38.23,63.35 37.16,63.35 ; R23.1 63.67,39.89 v2(64.06,40.27) 64.18,40.4 C26.1 64.17,41.27 U3.1 62.98,39.91 R23.1
  Bottom w0.152: v3(10.16,47.07) 10.08,47.15 J4.4 ; J1.1 57.68,42.6 v3(57.71,42.57) ; U12.18 70.36,29.44 v2(70.36,28.85) ; U12.21 U12.22 ; U12.22 U12.23 ; U12.22 71.75,32.06 v1(71.24,32.57)
  Bottom w0.25: v1(48.16,29.75) 48.16,30.85 ; v1(48.16,29.75) 47.79,29.38 R38.2 49.19,27.95 C16.2 ; v1(48.16,29.75) 48.63,29.75 v1(50.26,31.37) ; v1(8.06,27.37) R45.8 R45.7 R45.6 R45.5 ; C53.1 69.5,22.85 70.73,22.85 70.73,21.72 70.51,21.5 ; C16.2 49.31,30.43 v1(50.26,31.37) ; C16.2 49.31,31.32 v1(49.26,31.37) v1(50.26,31.37) ; v3(27.06,29.29) R42.2 26.58,30.25 v3(26.06,30.77) ; v1(61.26,26.57) 61.17,26.67 R70.1 ; 72.13,45.7 C47.1 72.14,44.33 72.17,44.3 71.04,44.3 R51.1 ; v1(47.16,9.07) 46.96,9.27 46.03,9.27 46.06,9.3 U15.5
  Bottom w0.3: C15.2 R38.2 ; v3(70.76,43.8) 70.76,44.59 R51.1
  Bottom w0.4: R38.2 47.11,27.27 v1(47.11,27.19) ; v1(47.11,27.19) 46.29,26.37 U10.1 45.75,27.61 C15.2 46.84,27.19 v1(47.11,27.19) ; R11.2 v1(14.16,55.57) ; L1.2 35.49,23.24 v4(35.46,23.27)
  vias: v1(68.06,57.67)
/3v3 Spec: length 50.8
  Bottom w0.25: 77.74,50.57 IC2.4 IC2.2
  Bottom w0.3: SW3.2 79.91,14.82 79.91,48.99 78.37,50.52 77.84,50.52
GND: length 411.4
  Top w0.127: C33.2 42.54,60.05 v3(42.46,59.97) ; C32.2 46.66,55.15 v1(47.23,54.57) 47.59,54.22 C35.2 46.28,53.68 U7.7 U7.6 ; C32.2 46.66,56.44 v3(46.61,56.49) ; C32.2 46.66,55.7 C31.2 45.23,57.13 U8.6 45.23,58.61 ; 50.56,82.07 v1(50.56,82.07) ; C11.2 59.44,51.9 C4.1 59.44,50.92 v3(59.08,50.56) ; C3.2 69.68,62.7 C8.2 69.68,63.87 v1(70.05,64.23) ; 45.23,58.6 U8.8 46.88,58.6 C34.2 46.96,58.11 v2(46.56,57.71) ; 60.99,81.88 60.8,82.07 v2(56.26,82.07) U4.16 ; C10.2 v3(56.96,60.57) ; C5.1 69.46,58.87 v3(69.56,58.77) ; v4(56.03,55.88) 56.36,55.88 57.6,54.63 59.04,54.63 IC1.19 ; v3(71.66,56.57) 72.23,57.14 R27.1 ; R26.1 74.34,62.5 v3(74.32,62.48)
  Top w0.152: v3(70.76,56.57) 70.79,56.6 C6.2 70.79,58.04 v3(70.36,58.47) ; v2(13.26,25.57) 13.32,25.64 C52.2 ; v2(56.26,82.07) 56.23,82.05 J9.S2 v2(57.66,80.67) ; SW2.B' 49.46,55.27 v2(49.76,54.97) ; v2(17.46,28.57) C50.2 16.18,27.75 16.16,27.73 ; v4(56.03,55.88) 55.83,55.88 C2.1 ; v2(58.86,75.67) 58.86,76.27 J9.1 ; J12.S1 75.12,55.33 v1(74.86,55.07) ; 67.56,67.67 67.56,67.67 v1(66.56,66.67) ; 72.62,52.85 72.62,51.55 v3(72.56,51.48) ; v2(51.91,54.93) 52.26,55.27 SW2.B ; v1(75.26,22.12) 74.91,22.47 C51.2 ; C28.2 60.53,38.91 v2(61.26,38.91) ; v1(78.86,48.97) 78.78,48.97 U18.8 77.7,46.42 v2(77.66,46.37) ; v3(69.46,35.97) 69.36,36.07 C38.2
  Top w0.2: v1(58.96,16.87) IC3.5 57.66,18.09 C17.2 v1(58.86,18.17)
  Top w0.25: v3(75.06,38.57) 75.01,38.61 C44.2 73.92,38.68 ; v1(71.12,72.16) 71.14,72.19 J5.S1 72.66,73.37 73.67,74.39 J5.1 ; 60.18,39.26 60.18,39.19 ; v1(64.46,33.17) 64.92,32.71 64.92,32.57 ; U4.17 29.09,76.77 v1(25.46,76.77) ; U4.17 29.13,79.47 31.74,82.07 34.04,82.07 ; U4.17 29.13,72.6 33.66,68.07 v2(36.26,68.07) ; U4.17 25.88,80.07 21.26,80.07 ; U16.9 47.76,48.25 U16.4 ; U16.9 49.51,48.25 U16.5 50.98,48.25 v2(51.66,47.57) 52.11,48.02 52.86,48.02 ; v1(51.96,40.02) 52.04,40.1 C24.1 ; 64.18,42.22 64.74,42.77 v1(65.26,42.77) ; 21.26,80.07 U5.10 17.57,80.07 U4.2 16.99,80.07 v2(15.79,81.27) ; 21.26,80.07 21.21,80.12 v2(21.21,80.73) 21.21,81.67 v2(21.17,81.71) 21.17,82.75 v2(21.09,82.83) 21.09,83.3 v2(20.55,83.84) 19.27,83.84 v2(19.24,83.87) 17.97,83.87 v2(17.94,83.84) 17.28,83.84 v2(16.87,83.43) 16.52,83.08 v2(15.77,83.08) 15.76,83.09 v2(14.68,83.09) 14.22,83.09 J6.2 J6.2 J6.2 J6.2 14.44,81.27 v2(14.76,81.27) v2(15.79,81.27) ; 64.92,30.5 64.92,28.86 64.53,28.47 64.53,26.7 v1(64.76,26.47) ; 64.92,30.5 64.92,31.44 v1(66.26,32.77) 66.19,32.84 v2(66.19,33.77) 66.12,33.77 64.92,32.57 ; 64.92,30.5 64.92,32.57 ; v2(15.79,81.27) 15.73,81.33 ; v1(12.46,28.27) 12.41,28.22 J27.2 ; v1(50.26,34.85) 49.69,34.27 U1.12 ; 68.99,78.94 68.99,79.84 v1(68.86,79.97) ; 68.99,78.94 68.99,77.32 ; 68.99,78.94 66.05,81.88 60.99,81.88 ; v3(62.56,64.5) 61.86,63.8 C9.2 ; 70.79,20.4 69.61,20.4 69.59,20.42 68.85,20.42 v1(68.76,20.33) ; C7.2 66.23,51.6 v2(66.23,51.07) ; C21.1 61.54,30.7 v1(61.46,30.62) ; 16.16,27.73 15.66,27.73 14.96,28.43 v2(14.96,28.47) ; 70.54,36.51 71.32,36.51 71.76,36.07 v1(71.76,35.17) ; D6.1 59.12,36.44 ; 69.24,36.53 70.52,36.53 ; C22.1 47.81,40.07 v1(47.56,39.82) 46.99,39.82 C23.1 ; J27.6 12.41,22.22 v1(12.46,22.27)
  Top w0.3: v3(49.66,58.77) 49.46,58.57 SW1.B' ; v1(72.66,78.87) 72.56,78.97 J5.S2 69.02,78.97 68.99,78.94 ; v3(56.26,76.17) 56.23,76.15 J9.S1 v3(57.46,75.07) ; 64.18,42.22 64.18,42.22 U3.2 ; SW1.B 51.96,58.57 v3(51.86,58.67) ; v3(75.26,41.18) v1(75.26,42.17) ; LED1.3 78.91,55.78 v1(78.46,55.33) 78.96,55.33 ; v1(75.29,36.17) J24.2 ; 78.96,55.33 J12.S1 ; 78.96,55.33 J12.S1 ; C18.2 v1(55.76,21.17)
  Top w0.342: v2(7.66,39.37) 7.68,39.35 U2.1 U2.2 ; v2(10.26,39.17) 10.22,39.13 U2.2 ; U2.2 U2.3 v2(12.76,39.17) ; U4.16 50.56,82.07 ; U2.20 12.66,60.67 J11.2 12.76,64.42 v2(12.76,67.07) 12.66,67.17 J11.2 12.63,69.37 v2(10.16,69.37) 10.13,69.4 J11.2 7.66,69.32 v2(7.66,67.07) 7.58,66.99 J11.2 7.68,64.22 U2.22
  Top w0.4: v2(61.26,38.91) 61.14,38.8 61.14,37.22 R22.2 60.35,36.44 D6.1 ; v1(74.66,19.17) 75.31,19.82 76.49,19.82 ; J26.6 76.29,26.74 v1(76.26,26.77) ; v2(66.19,33.77) U14.2 ; C14.1 v3(13.36,72.57) ; J24.6 v1(75.26,42.17)
  Top w0.5: 47.36,18.12 47.36,21.62 47.36,20.37 ; 47.36,16.8 47.36,18.05 47.36,14.55 ; v2(22.96,39.07) 22.9,39.01 U2.5 U2.4 v2(20.36,39.27) ; v1(65.66,16.92) 65.66,18.17 65.66,14.67 ; 65.66,18.1 65.66,21.6 65.66,20.35 ; 60.03,8.87 56.53,8.87 ; U2.11 38.14,39.25 v2(38.16,39.27) ; 54.28,8.87 53.03,8.87 56.53,8.87 ; U2.12 38.14,58.59 v2(38.16,58.57) ; 57.68,27.07 56.43,27.07 59.93,27.07 ; 56.53,8.87 57.78,8.87 ; 56.46,27.07 52.96,27.07 54.21,27.07
  Bottom w0.152: J28.2 75.41,24.32 v3(75.36,24.37) ; v1(78.86,48.97) 77.84,48.97 C13.2 ; v3(56.41,42.57) J1.3 J1.5 ; v1(74.86,55.07) 73.77,55.07 D3.1 ; J25.6 75.45,34.72 v1(75.3,34.57) ; U12.25 73.31,30.27 U12.9 75.16,28.43 v1(75.16,28.18)
  Bottom w0.25: C37.2 50.91,24.87 R40.1 ; C37.2 v3(51.79,24.82) ; C37.2 C36.2 v3(51.79,23.32) ; v1(44.66,31.07) 44.66,30.22 43.56,29.12 ; v1(44.66,31.07) 44.66,27.49 U10.15 43.56,27.65 43.56,29.12 ; v1(44.66,31.07) 44.66,30.93 46.09,29.5 43.94,29.5 43.56,29.12 ; U10.5 44.84,23.77 ; 44.84,23.77 U10.15 ; 44.84,23.77 U10.15 ; U10.8 40.94,22.47 U10.15 ; U10.8 U10.9 U10.15 ; U10.8 38.64,22.47 v1(38.59,22.42) ; v1(67.26,49.77) 67.36,49.87 C12.2 66.41,50.9 v2(66.23,51.07) ; v2(62.47,34.03) 62.37,34.13 C42.2 ; v3(51.89,27.82) C16.1 50.86,26.37 R40.1 ; R40.1 v3(51.79,26.32) ; U10.15 43.56,27.7 43.56,29.12 ; IC6.6 62.73,31.8 64.16,33.22 IC6.13 ; R62.2 69.33,80.45 v1(68.86,79.97) ; C25.2 v1(34.46,29.12) ; 32.46,30.8 32.26,30.59 v3(32.26,29.29) 32.11,29.14 U20.3 ; IC6.13 65.64,33.22 v2(66.19,33.77) ; IC6.13 65.66,33.22 ; IC6.13 65.39,33.22 ; IC6.13 62.48,33.22 v2(62.47,33.23) ; 75.27,22.12 74.94,21.8 74.21,21.8 ; R74.1 60.14,32.01 ; v1(68.43,23.3) 69.01,23.88 C53.2 69.51,23.8 U24.2 71.33,23.8 v1(71.83,24.3) ; v1(44.76,12.77) 44.79,12.74 U15.6 44.79,9.76 C30.1 45.08,8.65 v1(45.16,8.57) ; 73.12,44.3 73.12,45.68 C47.2 73.51,45.7 v2(73.91,45.3) ; v3(24.66,34.97) 24.76,35.07 C46.2 ; C48.2 69.9,40.82 v1(69.76,40.67) 70.96,39.47 D13.2 ; v1(67.46,48.27) IC2.1 ; C45.2 v3(24.66,33.57) ; 42.25,16.25 42.25,15.38 v1(42.86,14.77) 43.52,15.44 43.52,16.25 42.25,16.25
  Bottom w0.3: v3(66.66,76.48) 67.38,77.2 Q4.7 Q4.8 68.27,78.35 v3(68.19,78.43) 68.18,78.42 R56.2 ; J25.2 75.71,40.72 v3(75.26,41.18) ; v3(66.86,73.37) 67.18,73.05 Q4.6 Q4.5 67.47,72.25 R41.2
  Bottom w0.342: 7.66,69.32 J11.2 ; v2(62.16,26.57) 62.72,27.13 R69.1
  Bottom w0.4: R64.2 v3(33.86,31.77) ; R20.2 52.76,39.23 v1(51.96,40.02) ; v3(39.76,35.57) 39.46,35.27 U13.3 39.53,33.86 C39.1 ; J16.11 J16.12 ; v1(68.96,33.27) 68.93,33.25 C40.2
  Bottom w0.5: v2(20.36,39.27) v3(19.46,40.17)
  vias: v1(47.36,20.32) v1(47.36,19.42) v1(47.36,16.75) v1(47.36,15.85) v1(54.26,27.07) v1(54.33,8.87) v1(55.16,27.07) v1(55.23,8.87) v1(57.73,27.07) v1(57.83,8.87) v1(58.63,27.07) v1(58.73,8.87) v1(65.66,20.3) v1(65.66,19.4) v1(65.66,15.97) v2(31.66,70.07) v2(62.47,32.43)
